# Altium PCB SPEC-A7.PcbDoc (part 3 of 10) (continued)
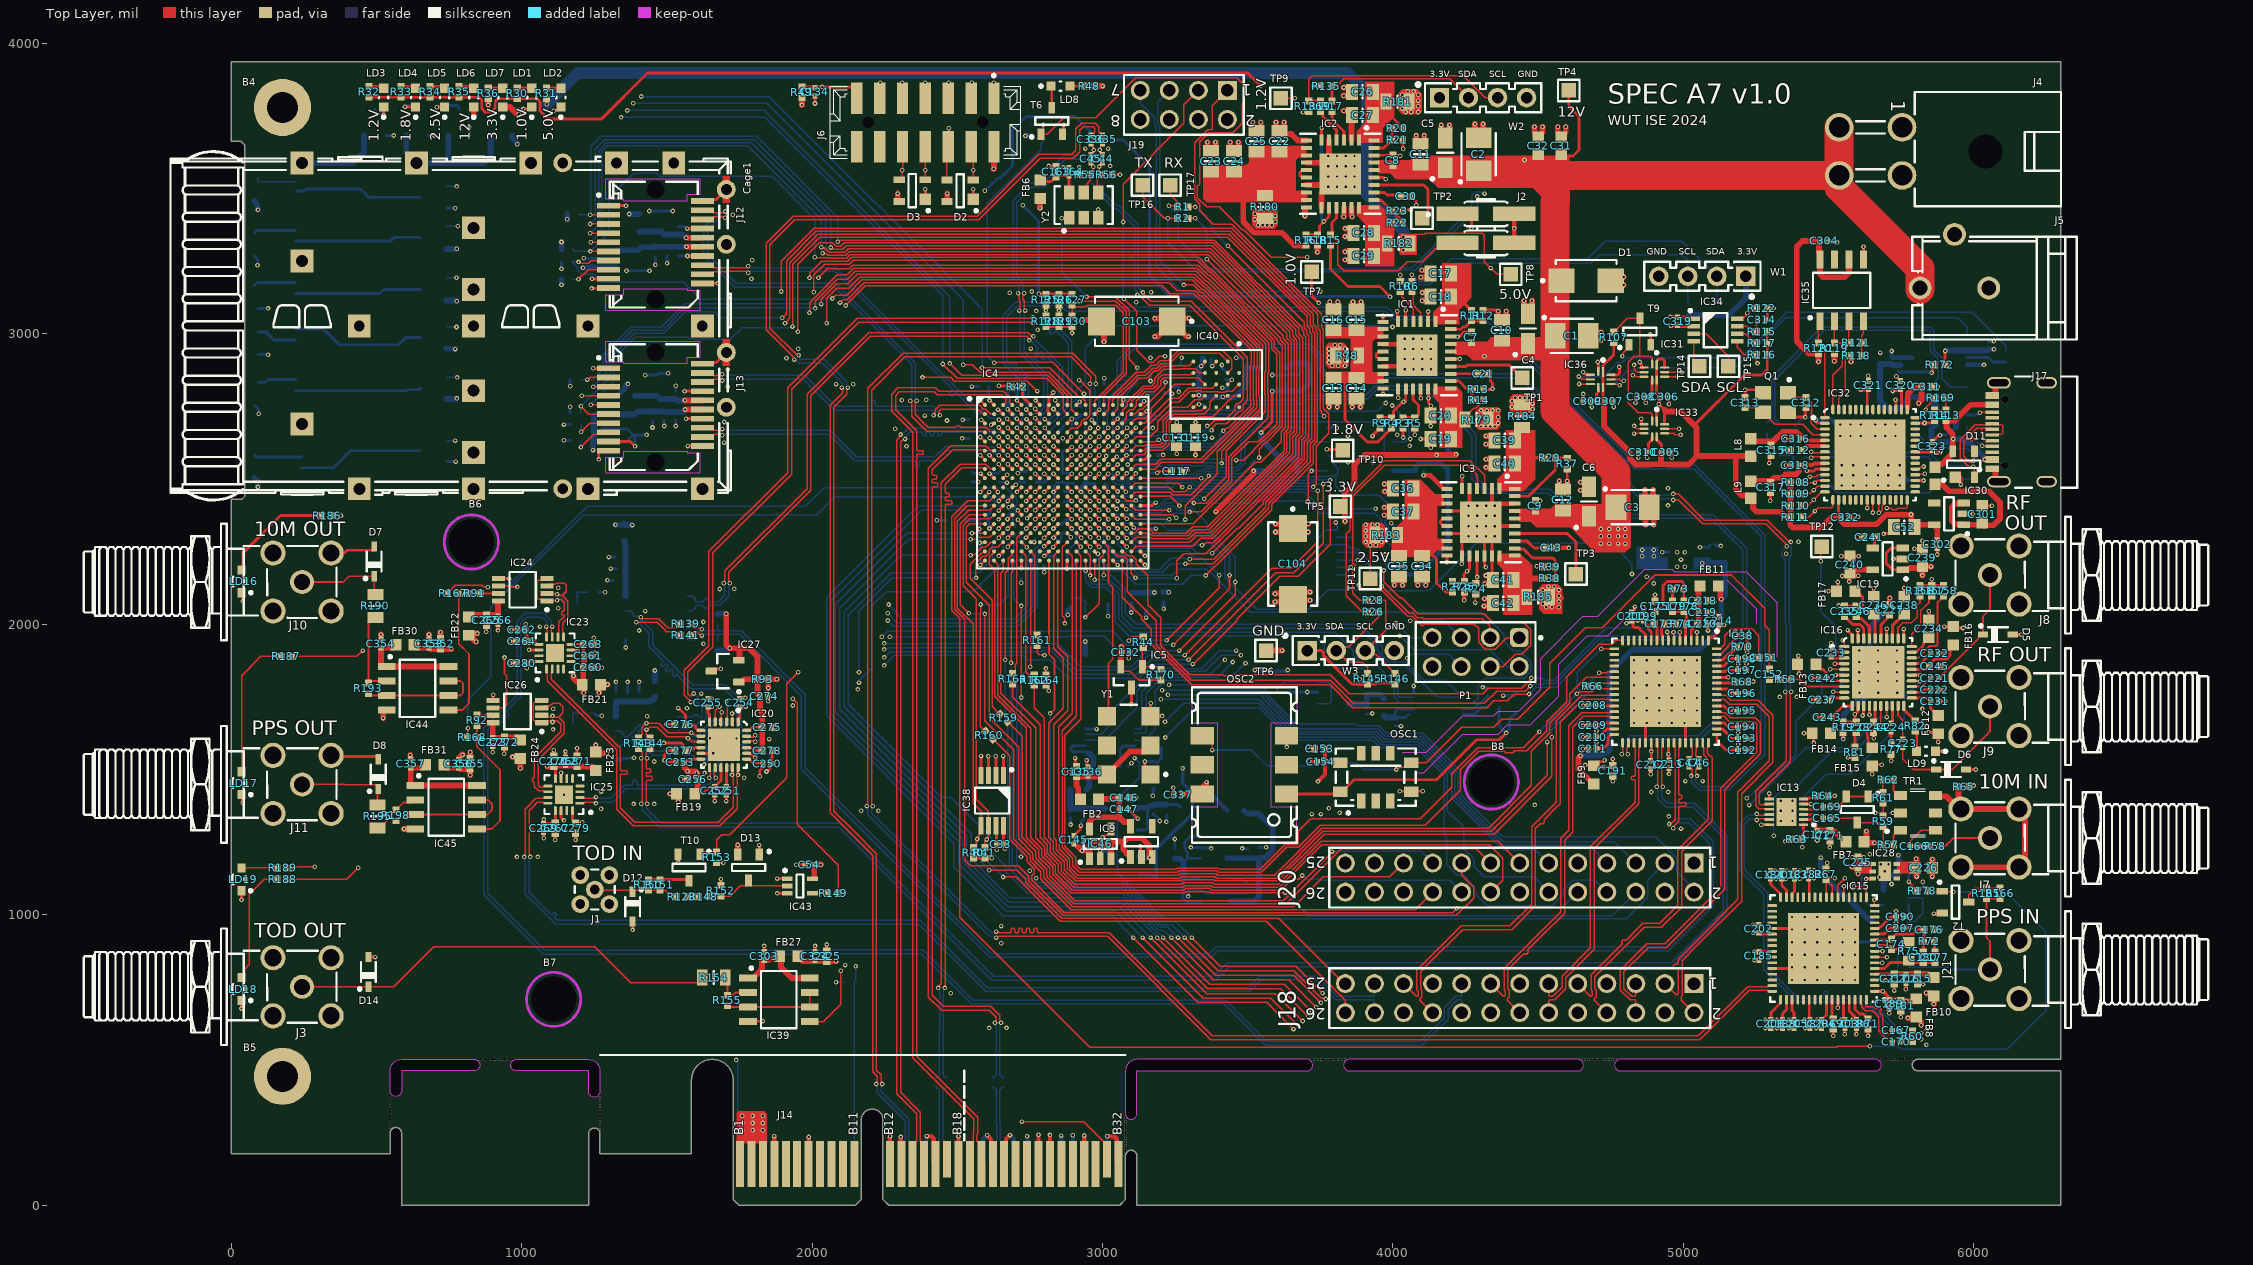
[diagram p0: Top Layer view]
## Nets (pads, with @x,y where several pads share a name; then routed paths per layer and width w, separated by ;. In a path a pad name is that pad's centre, name@x,y a point inside that pad or via, vN(x,y) a via of type N, cw(c..) or ccw(c..) an arc to the next point about the centre after c; other vN are vias at no path point) (continued)
  Top Layer w10: v1(2799.76,2298.25) IC4.R8@2815.51,2314
  L3 w5: v1(2263.41,2067.98) 2262.5,2068.88 2262.5,2083.35 2260,2085.85 2260,2779.68 2303.15,2822.83 2374.58,2822.83 2395.37,2843.63 2395.37,3438.35 2460,3502.98 2495,3502.98 v1(2555,3562.98)
  L4 w5: v1(2555,3562.98) 2775,3782.98 3450.57,3782.98 3527.93,3860.34 3527.93,3860.7 3536.94,3869.7 3549.68,3869.7 3551.4,3867.98 4104.46,3867.98 4115,3857.44 4115,3722.98 4215,3622.98 4215,3494.88 4595,3114.88 4595,2826.26 4645.67,2775.59 4755.91,2775.59 4807.09,2724.41 4807.09,2679.5 v1(4829.91,2656.67)
  Bottom Layer w5: v1(2263.41,2067.98) 2287.73,2043.65 2287.73,2040.25 2310,2017.98 2696.41,2017.98 2743.12,2064.69 2743.12,2236.1 2785.12,2278.1 2785.12,2283.61 v1(2799.76,2298.25)
CLK_25M: C151.2 IC14.64 | length 276.4
  Top Layer w6: IC14.64@5114.53,1915.65 5126.34,1915.65 5142.25,1931.57 5142.25,1961.15 5165.35,1984.25 5236.22,1984.25 5259.63,1960.84 C151.2@5259.63,1884.99
CLK_25M_BAK: IC4.T15
CLK_25M_DMTD: IC4.T14 Y1.4 | length 623.5
  Top Layer w6: IC4.T14@3004.49,2282.51 3020.24,2266.76 3020.24,2156.93 3020.36,2156.81 3020.36,2143.66 3035.56,2128.46 3035.56,1880.47 3020.24,1865.14 Y1.4@3020.24,1678.21
CLK_125M_N: C50.2 IC4.D16 | length 1559.2
  Top Layer w5: IC4.D16@3067.48,2660.46 3068.42,2660.46 3084.28,2676.32 v1(3085.22,2676.32) ; v1(3120,3134.24) 3122.06,3132.19 3126.97,3132.19 3160.43,3098.73 3300.57,3098.73 3484.56,2914.73 3484.56,2777.1 3481.37,2773.91 3481.37,2771.84 3470.98,2761.45 3464.49,2761.45 3456.18,2753.14 3456.18,2737.75 3448.34,2729.91 3447.87,2729.91 3420.86,2702.91 3405.95,2702.91 3405.66,2702.63 3385.88,2702.63 3368.29,2685.03 3362.06,2685.03 v1(3360,2682.98)
  Bottom Layer w5: C50.2@2965,3519.2 2965,3518.21 2973.5,3509.71 2973.5,3496.47 3040.06,3429.92 3049.8,3429.92 3110.32,3369.4 3110.32,3317.24 3110.32,3273.2 3107.39,3270.27 3100.66,3270.27 3098.08,3267.7 3098.08,3259.97 3100.66,3257.4 3107.39,3257.4 3110.32,3254.47 3110.32,3251.97 3110.32,3152.66 3120.2,3142.77 3120.2,3134.45 v1(3120,3134.24) ; v1(3085.22,2676.32) 3085.28,2676.32 3093.52,2668.07 3102.39,2668.07 3110.74,2659.73 3178.02,2659.73 3179.05,2660.75 3181.67,2663.37 3346.63,2663.37 3357.94,2674.69 3357.94,2680.92 v1(3360,2682.98)
CLK_125M_P: C48.2 IC4.E16 | length 1561.8
  Top Layer w5: IC4.E16@3067.48,2628.96 3067.48,2630.02 3083.23,2645.77 v1(3083.23,2646.83) ; v1(3138.99,3142.6) 3138.99,3139.7 3142.84,3135.85 3142.84,3134.71 3165.82,3111.73 3305.95,3111.73 3497.56,2920.12 3497.56,2771.72 3494.37,2768.53 3494.37,2766.46 3484.56,2756.65 3484.56,2741.38 3476.25,2733.07 3469.88,2733.07 3453.73,2716.91 3453.25,2716.91 3426.25,2689.91 3411.33,2689.91 3411.05,2689.63 3391.26,2689.63 3377.48,2675.84 3377.48,2669.61 v1(3375.42,2667.55)
  Bottom Layer w5: C48.2@2995,3519.2 2995,3518.21 2986.5,3509.71 2986.5,3501.86 3045.44,3442.92 3055.19,3442.92 3123.32,3374.78 3123.32,3158.04 3138.76,3142.6 v1(3138.99,3142.6) ; v1(3083.23,2646.83) 3083.29,2646.83 3091.53,2655.07 3097.01,2655.07 3105.36,2646.73 3183.41,2646.73 3184.43,2647.75 3187.06,2650.37 3352.01,2650.37 3367.14,2665.5 3373.37,2665.5 v1(3375.42,2667.55)
CR_N: C170.2 IC15.63 | length 213.1
  Top Layer w5: IC15.63@5610.24,707.68 5610.24,694.56 5613.85,690.94 5613.85,680.99 5625.28,669.57 5650.63,669.57 5660.1,660.1 5673.23,646.97 5673.23,599.73 5683.72,589.23 5697.45,575.51 5709.02,575.51 5711.95,572.58 5711.95,568.37 5718.31,562.01 C170.2@5719.29,562.01
CR_P: C167.2 IC15.64 | length 210.4
  Top Layer w5: IC15.64@5629.92,707.68 5629.92,694.56 5626.85,691.49 5626.85,686.37 5630.66,682.57 5656.02,682.57 5657.59,681 5659.35,679.23 5662.11,676.47 5666.25,676.47 5671.41,681.63 5675.05,681.63 5680.52,676.17 5680.52,672.53 5675.36,667.37 5675.36,663.23 5684.46,654.12 5686.23,652.35 5686.23,605.11 5702.83,588.51 5709.02,588.51 5711.95,591.44 5711.95,595.65 5718.31,602.01 C167.2@5719.29,602.01
DAC_LDAC: IC4.U12 IC10.4 | length 1467.8
  Top Layer w5: IC4.U12@2941.5,2251.01 2957.05,2235.46 v1(2957.05,2168.3)
  Bottom Layer w5: v1(2957.05,2168.3) 2957.05,2147.19 2966.07,2138.17 3019.7,2138.17 3055.12,2102.75 3055.12,2019.69 3102.36,1972.44 3799.66,1972.44 3863.76,1908.35 3863.76,1892.48 3898.41,1857.83 3945.32,1857.83 4016.66,1786.49 4016.66,1755 4023.62,1748.03 IC10.4@4072.83,1748.03
DAC_SCLK: IC4.V14 IC10.6 | length 1521.3
  Top Layer w5: v1(3003.94,2168.92) 3004.21,2169.19 3004.21,2219.24 IC4.V14@3004.49,2219.51
  Bottom Layer w5: v1(3003.94,2168.92) 3030.16,2168.92 3078.69,2120.39 3078.69,2037.5 3116.19,2000 3886.25,2000 3963.76,1922.49 3963.76,1892.48 3987.76,1868.48 4041.88,1868.48 4042.53,1867.83 4045.55,1867.83 4106.56,1806.82 4180.38,1806.82 4219.49,1767.72 IC10.6@4242.13,1767.72
DAC_SDI: IC4.T13 IC10.8 | length 2039.6
  Top Layer w10: IC4.T13@2972.99,2282.51 v1(2988.74,2266.76)
  Bottom Layer w5: v1(2988.74,2266.76) 3036.16,2219.34 3076.46,2219.34 3126.91,2168.88 3142.14,2168.88 3142.63,2168.39 3240.16,2168.39 3260.74,2188.98 3360.15,2188.98 3507.94,2041.18 4304.34,2041.18 4382.27,1963.25 4382.27,1940.66 4413.33,1909.59 4435.92,1909.59 4474.63,1870.89 4474.63,1837.77 4451.21,1814.35 4409.15,1814.35 4407.7,1815.8 4365.64,1815.8 4364.2,1814.35 4318.58,1814.35 4293.08,1788.84 4293.08,1746.18 4275.24,1728.35 IC10.8@4242.13,1728.35
DAC_SDO: IC4.V12 IC10.3 | length 1469.6
  Top Layer w5: IC4.V12@2941.5,2219.51 2941.59,2219.42 2941.59,2184 v1(2941.67,2183.91)
  Bottom Layer w5: v1(2941.67,2183.91) 2941.67,2148.43 2961.93,2128.17 3011.23,2128.17 3043.31,2096.09 3043.31,2007.78 3090.46,1960.63 3731.08,1960.63 3763.76,1927.95 3763.76,1892.48 3808.41,1847.83 3894.27,1847.83 3935.01,1807.09 3980.31,1807.09 4003.94,1783.46 4003.94,1748.03 4023.62,1728.35 IC10.3@4072.83,1728.35
DAC_SYNC: IC4.V13 IC10.7 | length 1570.2
  Top Layer w5: v1(2972.44,2153.54) 2972.72,2153.82 2972.72,2219.24 IC4.V13@2972.99,2219.51
  Bottom Layer w5: v1(2972.44,2153.54) 3023.62,2153.54 3065.71,2111.46 3065.71,2028.16 3107.81,1986.06 3886.04,1986.06 3945.69,1926.42 3945.69,1910.55 3953.76,1902.48 3953.76,1888.34 3984.27,1857.83 4041.41,1857.83 4108.12,1791.12 4108.63,1791.12 4151.72,1748.03 IC10.7@4242.13,1748.03
DDMTD_LDAC: IC4.N17 IC7.4 | length 1350.8
  Top Layer w5: IC4.N17@3098.98,2376.99 3114,2361.97 v1(3230,2361.97)
  L3 w5: v1(3230,2361.97) 3230,2207.98 3460,1977.98 v1@3460,1909.45
  Bottom Layer w5: IC7.4@2940.24,1621.09 2995.1,1621.09 3040.86,1666.84 3040.86,1711.11 3177.45,1847.7 3339.83,1847.7 3401.57,1909.45 v1(3460.63,1909.45)
DDMTD_SCLK: IC4.K17 IC7.6 | length 1385.9
  Top Layer w5: IC4.K17@3098.98,2471.48 3113.37,2485.87 3260.77,2485.87 v1(3275,2471.65)
  L3 w5: v1(3275,2471.65) 3273.67,2471.65 3202.26,2400.24 3202.26,2171.97 3421.26,1952.97 v1(3421.26,1877.95)
  Bottom Layer w5: IC7.6@3109.53,1640.77 3132.17,1640.77 3135.57,1644.18 3135.57,1768.42 3194.56,1827.41 3370.71,1827.41 v1(3421.26,1877.95)
DDMTD_SDI: IC4.L18 IC7.8 | length 1353.6
  Top Layer w5: IC4.L18@3130.47,2439.99 3232.62,2439.99 v1(3265,2407.6)
  L3 w5: v1(3265,2407.6) 3265,2377.58 3268.98,2373.6 3268.98,2203.67 3282.43,2190.22 3282.76,2190.22 3492.13,1980.85 v1(3492.13,1866.14)
  Bottom Layer w5: IC7.8@3109.53,1601.4 3144.71,1601.4 3181.1,1637.8 3181.1,1770.45 3218.06,1807.41 3433.39,1807.41 v1(3492.13,1866.14)
DDMTD_SDO: IC4.N18 IC7.3 | length 1383.4
  Top Layer w5: IC4.N18@3130.47,2376.99 3130.83,2377.35 3242.31,2377.35 3252.77,2366.88 v1(3253.59,2366.88)
  L3 w5: v1(3253.59,2366.88) 3253.61,2201.68 3476.38,1978.91 v1(3476.38,1893.7)
  Bottom Layer w5: IC7.3@2940.24,1601.4 3006.91,1601.4 3118.11,1712.6 3118.11,1769.22 3186.59,1837.7 3353.45,1837.7 3409.45,1893.7 v1(3476.38,1893.7)
DDMTD_SYNC: IC4.M17 IC7.7 | length 1284.4
  Top Layer w5: IC4.M17@3098.98,2408.49 3114.75,2392.72 v1(3230.31,2392.72)
  L3 w5: v1(3230.31,2392.72) 3229.74,2392.72 3214.63,2377.6 3214.63,2176.61 3433.81,1957.43 3433.81,1914.53 3448.82,1899.52 v1(3448.82,1870.08)
  Bottom Layer w5: IC7.7@3109.53,1621.09 3112.93,1624.49 3144.18,1624.49 3150.35,1630.67 3150.35,1763.18 3204.58,1817.41 3396.15,1817.41 v1(3448.82,1870.08)
DELAY_EN: IC4.J18 IC20.2 | length 3299
  Top Layer w5: v1(1724.41,1692.91) 1724.98,1692.34 1724.98,1664.52 IC20.2@1725.56,1663.94 ; IC4.J18@3130.47,2502.98 3130.66,2502.79 3339.81,2502.79 v1@3340,2502.98 ; v1(3311.02,1863.07) 3311.89,1863.07 3461.65,2012.83 3461.65,2016.79 3610.21,2165.35 3673.23,2165.35 3783.46,2275.59 v1(3783.46,2496.29)
  L4 w5: v1(1724.41,1692.91) 1748.03,1716.54 1748.03,1755.91 1850.39,1858.27 v1(2248.03,1858.27)
  Bottom Layer w5: v1(2248.03,1858.27) 2283.31,1893.54 2724.57,1893.54 2740.16,1877.95 2818.9,1877.95 2881.89,1814.96 3124.68,1814.96 3171.93,1862.2 3310.16,1862.2 v1(3311.02,1863.07) ; v1(3340,2502.6) 3341.68,2500.92 3353.36,2500.92 3358.63,2495.65 3711.79,2495.65 3714.45,2498.31 3781.44,2498.31 v1(3783.46,2496.29)
DELAY_Q0_N: IC23.11 J18.18 | length 4890.5
  Top Layer w5: v1@1101.89,1985.34 1101.89,1971.98 1105.24,1968.63 IC23.11@1105.24,1956.5
  Bottom Layer w5: v1(1105.77,1992.13) 1105.77,1995.03 1101.89,1998.91 1101.89,2012.88 1086.29,2028.49 1077.02,2037.75 1011.49,2037.75 984.25,2010.51 984.25,1755.91 870.08,1641.73 870.08,1068.23 1074.1,864.21 2045.31,864.21 2047.24,866.14 2375.32,866.14 2548.54,692.91 3418.62,692.91 3518.5,593.04 3561.54,549.99 4099.59,549.99 4190.23,640.62 4190.23,674.88 4221.83,706.48 4233.33,706.48 4236.26,703.55 J18.18@4236.26,662.98
DELAY_Q0_P: IC23.12 J18.17 | length 4888
  Top Layer w5: IC23.12@1085.55,1956.5 1085.55,1968.63 1088.89,1971.98 v1@1088.89,1985.34
  Bottom Layer w5: v1(1085.02,1992.13) 1085.02,1995.03 1088.89,1998.91 1088.89,2007.5 1080.91,2015.49 1071.64,2024.75 1016.88,2024.75 997.25,2005.13 997.25,1750.52 967.85,1721.12 949.15,1702.42 949.15,1698.28 956.92,1690.51 956.92,1686.87 951.46,1681.41 947.82,1681.41 939.8,1689.43 936.16,1689.43 930.7,1683.97 930.7,1680.32 941.77,1669.25 941.77,1665.61 936.31,1660.14 932.67,1660.14 921.84,1670.97 917.7,1670.97 906.83,1660.1 883.08,1636.35 883.08,1073.61 1079.48,877.21 2039.93,877.21 2041.86,879.14 2380.7,879.14 2511.15,748.69 2515.75,744.09 2553.93,705.91 3424.01,705.91 3531.5,598.43 3566.93,562.99 4094.21,562.99 4177.23,646.01 4177.23,680.26 4216.44,719.48 4233.33,719.48 4236.26,722.41 J18.17@4236.26,762.98
DELAY_Q1_N: IC25.11 J18.24 | length 3530.6
  Top Layer w5: v1@1012.67,1205.72 1012.67,1348.86 1012.67,1363.77 1049.1,1400.2 1075.07,1400.2 1078.41,1403.54 IC25.11@1090.55,1403.54
  Bottom Layer w5: v1(1008.8,1198.94) 1008.8,1196.03 1012.67,1192.15 1012.67,1071.31 1016.48,1067.5 1031.52,1052.46 1116.66,967.32 2367.33,967.32 2598.3,736.35 3508,736.35 3547.24,775.59 3733.58,775.59 3802.7,706.48 3933.33,706.48 3936.26,703.55 J18.24@3936.26,662.98
DELAY_Q1_P: IC25.12 J18.23 | length 3528.1
  Top Layer w5: v1@1025.67,1205.72 1025.67,1267.1 1025.67,1282.48 1028.6,1285.41 1036.01,1285.41 1038.58,1287.98 1038.58,1295.7 1036.01,1298.28 1028.6,1298.28 1025.67,1301.21 1025.67,1340.1 1025.67,1354.24 1025.67,1358.39 1035.67,1368.39 1054.48,1387.2 1075.07,1387.2 1078.41,1383.86 IC25.12@1090.55,1383.86
  Bottom Layer w5: v1(1029.54,1198.94) 1029.54,1196.03 1025.67,1192.15 1025.67,1076.69 1077.5,1024.86 1100.63,1001.73 1104.77,1001.73 1110.65,1007.62 1114.3,1007.62 1119.76,1002.15 1119.76,998.51 1113.88,992.63 1113.88,988.49 1122.05,980.32 1127.45,980.32 2372.72,980.32 2603.68,749.35 3502.62,749.35 3541.86,788.59 3738.97,788.59 3808.08,719.48 3933.33,719.48 3936.26,722.41 J18.23@3936.26,762.98
DELAY_SCLK: IC4.K18 IC20.5 | length 3243.8
  Top Layer w5: IC20.5@1666.5,1663.94 1666.5,1701.93 v1(1681.1,1716.54) ; IC4.K18@3130.47,2471.48 3229.41,2471.48 3244.62,2456.27 3284.63,2456.27 v1(3300,2471.65) ; v1(3283.23,1894) 3283.76,1894 3582.68,2192.91 3649.61,2192.91 3741.09,2284.4 v1(3741.09,2459.84)
  L4 w5: v1(1681.1,1716.54) 1708.66,1716.54 1720.53,1728.41 1720.53,1763.57 1870.35,1913.39 v1(2248.03,1913.39)
  Bottom Layer w5: v1(2248.03,1913.39) 2250.09,1915.44 2259.77,1915.44 2263.78,1919.45 2812.9,1919.45 2815.02,1917.32 2834.65,1917.32 2909.45,1842.52 3106.3,1842.52 3157.48,1893.7 3282.93,1893.7 v1(3283.23,1894) ; v1(3300,2471.65) 3302.91,2471.65 3308.82,2465.73 3343.08,2465.73 3343.16,2465.65 3707.33,2465.65 3715.41,2457.56 3731.37,2457.56 3731.59,2457.79 3739.04,2457.79 v1(3741.09,2459.84) v1@3741.09,2459.69
DELAY_SDIN: IC4.J14 IC20.4 | length 3448.1
  Top Layer w5: IC20.4@1686.19,1663.94 1687.49,1665.25 1687.49,1695.36 v1(1688.98,1696.85) ; v1(3295.91,1877.58) 3296.39,1877.58 3595.98,2177.17 3657.48,2177.17 3759.72,2279.4 v1(3759.72,2482.94)
  Top Layer w10: IC4.J14@3004.49,2502.98 3004.49,2503.32 3019.55,2518.38 v1(3019.55,2518.73)
  L4 w5: v1(1688.98,1696.85) 1705.61,1696.85 1732.28,1723.52 1732.28,1758.15 1859.96,1885.83 v1(2248.03,1885.83)
  Bottom Layer w5: v1(2248.03,1885.83) 2268.37,1906.16 2790.85,1906.16 2794.14,1909.45 2808.75,1909.45 2810.88,1907.32 2824.96,1907.32 2903.74,1828.55 3119.88,1828.55 3168.44,1877.1 3295.44,1877.1 v1(3295.91,1877.58) ; v1(3019.55,2518.73) 3021.6,2516.67 3021.6,2507.33 3046.65,2482.29 3064.15,2482.29 3064.83,2482.98 3095,2482.98 3102.24,2475.73 3217.76,2475.73 3239.04,2497.02 3315.96,2497.02 3326.35,2486.63 3353.51,2486.63 3354.49,2485.65 3715.93,2485.65 3718.59,2488.31 3732.45,2488.31 3737.83,2482.94 v1(3759.72,2482.94) 3761.78,2480.88 v1@3767.15,2480.88
DELAY_SLOAD: IC4.M16 IC20.3 | length 2695
  Top Layer w5: v1(1704.88,1734.5) 1704.88,1718.92 1707.17,1716.62 1707.17,1665.25 IC20.3@1705.87,1663.94 ; v1(3263.78,1909.45) 3456.69,2102.36 v1(3456.69,2145.67)
  Top Layer w10: IC4.M16@3067.48,2408.49 3068.5,2408.49 3080.5,2396.5 v1(3081.95,2396.5)
  L4 w5: v1(1704.88,1734.5) 1704.88,1768.42 1870.59,1934.13 v1(2248.03,1934.13)
  Bottom Layer w5: v1(2248.03,1934.13) 2249.09,1933.07 2846.46,1933.07 2925.2,1854.33 3098.43,1854.33 3153.54,1909.45 v1(3263.78,1909.45) ; v1(3081.95,2396.5) 3084.01,2394.44 3094.39,2394.44 3105.21,2383.62 3199.57,2383.62 3218.48,2402.53 3218.48,2403.19 3223.63,2408.35 3242.88,2408.35 3249.63,2401.61 3249.63,2401.24 3258.63,2392.23 3271.37,2392.23 3271.74,2392.6 3277.71,2392.6 3287.4,2402.29 3305.89,2402.29 3359.24,2348.94 3359.24,2328.84 3456.69,2231.38 v1(3456.69,2145.67)
DFF_Q0_N: IC20.22 IC21.6 R138.1 R141.2 | length 1098.1
  Top Layer w5: v1(1395,2006.75) 1395.58,2006.16 1466.54,2006.16 1490.17,1982.53 1497.78,1974.92 1534.32,1974.92 1537.25,1971.99 1537.25,1970.33 R141.2@1546.16,1961.42 ; IC20.22@1774.77,1595.05 1785.66,1595.05 1789,1598.39 v1@1798.75,1598.39
  Bottom Layer w5: v1(1395,2006.75) 1397.05,2004.69 1403.92,2004.69 1437.97,1970.63 1437.97,1922.67 1445.59,1915.06 1474.5,1886.15 1476.27,1884.38 1485.37,1875.28 1485.37,1871.13 1478.38,1864.14 1478.38,1860.5 1483.84,1855.04 1487.48,1855.04 1494.72,1862.28 1498.36,1862.28 1503.83,1856.82 1503.83,1853.18 1496.58,1845.93 1496.58,1842.29 1502.04,1836.83 1505.69,1836.83 1512.93,1844.07 1516.57,1844.07 1522.03,1838.61 1522.03,1834.97 1518.01,1830.95 1518.01,1827.31 1523.48,1821.85 1527.12,1821.85 1530.89,1825.62 1535.03,1825.62 1548.55,1812.09 1550.32,1810.32 1582.23,1778.42 1697.67,1778.42 1704.67,1771.42 1741.99,1734.09 1741.99,1641.7 1763.59,1620.1 1783.62,1600.08 1797.06,1600.08 1801.47,1595.67 v1(1804.37,1595.67) 1807.28,1595.67 1811.69,1600.08 1819.75,1600.08 1822.68,1597.15 1822.68,1584.43 1809.1,1570.85 1786.35,1570.85 1772.43,1584.77 1738.71,1584.77 1728.17,1574.22 1728.17,1561.77 1725.24,1558.84 1723.58,1558.84 R138.1@1714.67,1549.92
DFF_Q0_P: IC20.23 IC21.7 R137.1 R139.2 | length 1100.6
  Top Layer w5: v1@1411.84,2023.92 1416.6,2019.16 1471.92,2019.16 1503.17,1987.92 1534.32,1987.92 1537.25,1990.85 1537.25,1992.5 R139.2@1546.16,2001.42 ; IC20.23@1774.77,1614.73 1786.45,1614.73 1789.8,1611.39 1796.07,1611.39 1802.16,1617.48 v1(1804.37,1617.48)
  Bottom Layer w5: IC21.7@1358.37,2046.42 1374.95,2046.42 1384.26,2037.11 1384.26,2030.85 1387.19,2027.92 1403.17,2027.92 v1@1407.21,2023.87 ; v1(1409.94,2023.92) 1412,2021.86 1412,2014.99 1450.97,1976.02 1450.97,1928.06 ; 1450.97,1928.06 1501.06,1877.97 1587.61,1791.42 1703.05,1791.42 1706.86,1787.61 1754.99,1739.48 1754.99,1647.08 1776.59,1625.48 1789,1613.08 1797.06,1613.08 1801.47,1617.48 v1(1804.37,1617.48) 1807.28,1617.48 1811.69,1613.08 1825.13,1613.08 1835.68,1602.53 1835.68,1579.04 1814.49,1557.85 1780.96,1557.85 1767.05,1571.77 1744.1,1571.77 1741.17,1568.84 1741.17,1561.77 1744.1,1558.84 1745.75,1558.84 R137.1@1754.67,1549.92
DFF_Q1_N: IC20.9 IC22.6 R142.1 R144.2 | length 574.6
  Top Layer w5: R144.2@1441.56,1608.74 1432.64,1617.66 1431.3,1617.66 1428.37,1620.59 1428.37,1636.11 v1(1429.75,1637.48) 1432.65,1637.48 1441,1645.82 1466.44,1645.82 1498.85,1613.42 1564.48,1613.42 1570.72,1607.18 v1(1572.79,1607.18) 1584.92,1595.05 IC20.9@1617.29,1595.05
  Bottom Layer w5: IC22.6@1323.37,1581.42 1341.42,1581.42 1350.73,1590.73 1350.73,1596.99 1353.66,1599.92 1370.91,1599.92 1376.99,1606.01 1387.87,1616.88 1392.01,1616.88 1402.95,1605.94 1406.59,1605.94 1412.05,1611.4 1412.05,1615.04 1401.11,1625.98 1401.11,1630.12 1409.48,1638.49 1409.48,1638.96 1412.41,1641.89 1422.43,1641.89 1426.84,1637.48 v1(1429.75,1637.48) ; 1581.24,1605.12 1585.24,1601.12 1608.1,1601.12 1615.72,1608.74 1648.53,1641.55 1663.75,1656.77 1682.74,1656.77 1685.67,1653.84 1685.67,1645.13 1675.45,1634.92 R142.1@1674.67,1634.92
DFF_Q1_P: IC20.8 IC22.7 R140.1 R143.2 | length 577.1
  Top Layer w5: R143.2@1402.19,1608.74 1411.1,1617.66 1412.44,1617.66 1415.37,1620.59 1415.37,1629.78 1414.37,1630.78 1414.37,1643.92 v1(1429.75,1659.29) 1467.1,1659.29 1467.57,1658.82 1471.83,1658.82 1504.23,1626.42 v1(1584.67,1626.42) 1587.58,1626.42 1594.74,1619.25 1601.08,1619.25 1605.6,1614.73 IC20.8@1617.29,1614.73
  Bottom Layer w5: IC22.7@1323.37,1631.42 1341.42,1631.42 1350.73,1622.11 1350.73,1615.85 1353.66,1612.92 1365.52,1612.92 1385.37,1632.76 1396.48,1643.88 1396.48,1644.34 1407.02,1654.89 1422.43,1654.89 1426.84,1659.29 v1(1429.75,1659.29) ; 1586.72,1618.02 1590.62,1614.12 1602.72,1614.12 1643.15,1654.55 1658.36,1669.77 1688.12,1669.77 1698.67,1659.22 1698.67,1645.13 1708.88,1634.92 R140.1@1709.67,1634.92
DLY0_SE: D7.1 J10.1 R190.1 | length 320.8
  Top Layer w6: J10.1@244.09,2145.67 385.83,2145.67 405.51,2165.35 D7.1@492.13,2165.35 492.13,2106.3 R190.1@496.06,2102.36
DLY0_SE_FB: IC4.P14 IC24.6 | length 3334.7
  Top Layer w6: IC24.6@919.8,2131.69 920.69,2130.81 965.63,2130.81 967.77,2128.67 v1(985.51,2128.67) ; v1(3244.09,1929.13) 3437.01,2122.05 v1(3437.01,2169.29)
  Top Layer w10: IC4.P14@3004.49,2345.5 3004.97,2345.5 3020.72,2329.75 v1(3021.21,2329.75)
  L4 w6: v1(985.51,2128.67) 1082.68,2031.5 1169.29,2031.5 1200.79,2062.99 1633.86,2062.99 1712.6,1984.25 2240.16,1984.25 v1(2267.72,1956.69)
  Bottom Layer w6: v1(2267.72,1956.69) 2874.48,1956.69 2876.6,1958.82 3005.75,1958.82 3057.46,1907.1 3136.35,1907.1 3158.38,1929.13 v1(3244.09,1929.13) ; v1(3021.21,2329.75) 3039.21,2347.75 3099.68,2347.75 3100.86,2348.93 3199.24,2348.93 3225.19,2322.98 3350.25,2322.98 3437.01,2236.22 v1@3437.01,2169.53
DLY1_SE: D8.1 J11.1 R195.1 | length 328.1
  Top Layer w6: J11.1@244.09,1448.82 388.71,1448.82 390.02,1447.51 499.22,1447.51 506.06,1440.67 D8.1@506.06,1432.8 ; R195.1@503.94,1377.95 D8.1@503.94,1432.8
DLY1_SE_FB: IC4.R15 IC26.6 | length 3306.1
  Top Layer w5: IC4.R15@3035.98,2314 v1(3051.73,2298.25) ; v1(3220.47,1945.01) 3401.57,2126.11 v1(3401.57,2169.29)
  Top Layer w6: IC26.6@906.6,1717.03 IC26.6@901.93,1712.36 936.77,1712.36 948.82,1724.41 948.82,1822.83 940.94,1830.71 v1(940.94,1885.83)
  L4 w5: v1(940.94,1885.83) 1345.82,1885.83 1373.38,1913.39 1653.54,1913.39 1696.85,1956.69 v1(2240.16,1956.69)
  Bottom Layer w5: v1(2240.16,1956.69) 2259.84,1976.38 3034.86,1976.38 3083.63,1927.6 3142,1927.6 3159.4,1945.01 v1(3220.47,1945.01) ; v1(3051.73,2298.25) 3051.73,2275.01 3075.61,2251.13 3294.34,2251.13 3317.49,2227.98 3342.89,2227.98 v1(3401.57,2169.29)
DLY_Q0_N: IC20.17 IC23.2 R138.2 | length 1226
  Top Layer w5: IC23.2@1105.24,1846.26 1105.24,1834.12 1101.89,1830.78 1101.89,1811.49 1228.35,1685.04 1339.77,1573.61 1339.77,1523.62 1339.77,1498.67 1342.7,1495.74 1360.71,1495.74 1363.28,1493.17 1363.28,1485.45 1360.71,1482.87 1342.7,1482.87 1339.77,1479.94 1339.77,1464.57 1339.77,1368.89 1389.76,1318.9 1677.15,1318.9 1728.9,1370.65 1728.9,1481.42 1728.9,1491.44 1725.56,1494.78 IC20.17@1725.56,1506.46
  Bottom Layer w5: R138.2@1714.67,1512.91 1723.58,1504 1725.24,1504 1728.17,1501.07 1728.17,1488.2 1724.29,1484.33 v1(1724.29,1481.42)
DLY_Q0_P: IC20.18 IC23.1 R137.2 | length 1228.5
  Top Layer w5: IC23.1@1085.55,1846.26 1085.55,1834.12 1088.89,1830.78 1088.89,1806.11 1223.75,1671.25 1326.77,1568.23 1326.77,1363.51 1384.38,1305.9 1682.53,1305.9 1741.9,1365.26 1741.9,1491.44 1745.24,1494.78 IC20.18@1745.24,1506.46
  Bottom Layer w5: v1(1745.04,1481.42) 1745.04,1484.33 1741.17,1488.2 1741.17,1501.07 1744.1,1504 1745.75,1504 R137.2@1754.67,1512.91
DLY_Q0_SE_N: IC23.9 IC24.2 IC24.3 R191.2 | length 369.5
  Top Layer w5: IC24.2@1080.83,2099.81 IC24.2@1087.13,2106.1 1088.34,2104.89 1120.84,2104.89 v1(1122.05,2103.68) ; IC24.3@1087.13,2131.69 1093.48,2138.05 1116.31,2138.05 1119.62,2141.36 1146.04,2141.36 1153.54,2133.86 1153.54,2113.91 1139.24,2099.61 ; 1129.92,2099.61 1139.24,2099.61 ; IC23.9@1144.61,1956.5 1144.61,1968.63 1141.26,1971.98 1141.26,2003.47 1158.97,2021.18 1158.97,2079.89 1139.24,2099.61
  Bottom Layer w5: v1(1122.05,2103.68) 1124.96,2103.68 1131.59,2097.05 1142.88,2097.05 1145.81,2099.98 1145.81,2101.32 R191.2@1154.72,2110.24
DLY_Q0_SE_P: IC23.10 IC24.1 IC24.4 R192.2 | length 365.1
  Top Layer w5: IC24.4@1087.13,2157.28 1080.83,2150.99 1056.91,2150.99 1053.98,2148.06 1053.98,2089.74 1056.91,2086.81 1080.83,2086.81 IC24.1@1087.13,2080.51 1088.34,2081.72 1120.84,2081.72 v1(1122.05,2082.93) ; IC23.10@1124.92,1956.5 1124.92,1968.63 1128.26,1971.98 1128.26,2008.85 1145.97,2026.56 1145.97,2029.06 1143.04,2031.99 1140.43,2031.99 1137.86,2034.56 1137.86,2042.29 1140.43,2044.86 1143.04,2044.86 1145.97,2047.79 1145.97,2051.46 1145.97,2074.5 1133.86,2086.61 1129.92,2086.61
  Bottom Layer w5: v1(1122.05,2082.93) 1123.17,2084.05 1142.88,2084.05 1145.81,2081.12 1145.81,2079.78 R192.2@1154.72,2070.87
DLY_Q1_N: IC20.13 IC25.2 R142.2 | length 691.3
  Top Layer w5: IC25.2@1200.79,1403.54 1212.92,1403.54 1216.27,1400.2 1229.08,1400.2 1229.61,1400.73 1248.36,1400.73 ; IC20.13@1646.82,1506.46 1646.82,1494.78 1650.16,1491.44 v1@1650.16,1478.2
  Bottom Layer w5: v1(1255.67,1405.14) 1258.58,1405.14 1262.98,1400.73 1307.54,1400.73 1352.88,1446.07 1377.95,1446.07 1380.45,1446.07 1383.38,1449 1383.38,1460.59 1385.96,1463.16 1393.68,1463.16 1396.26,1460.59 1396.26,1449 1399.19,1446.07 1433.07,1446.07 1640.72,1446.07 1650.69,1456.04 1650.69,1464.1 1646.28,1468.51 v1(1646.28,1471.42) 1646.28,1474.33 1650.84,1478.89 1650.84,1489.25 1676.55,1514.95 1676.55,1564.42 1685.67,1573.53 1685.67,1587.7 1675.45,1597.91 R142.2@1674.67,1597.91
DLY_Q1_P: IC20.14 IC25.1 R140.2 | length 693.8
  Top Layer w5: IC25.1@1200.79,1383.86 1212.92,1383.86 1216.27,1387.2 1234.46,1387.2 1234.99,1387.73 1248.36,1387.73 ; IC20.14@1666.5,1506.46 1666.5,1494.78 1663.16,1491.44 1663.16,1479.26 1668.09,1474.33 v1(1668.09,1471.42)
  Bottom Layer w5: v1(1255.67,1383.33) 1258.58,1383.33 1262.98,1387.73 1312.93,1387.73 1358.27,1433.07 1646.1,1433.07 1663.69,1450.66 1663.69,1464.1 1668.09,1468.51 v1(1668.09,1471.42) 1668.09,1474.33 1663.84,1478.58 1663.84,1483.86 1689.55,1509.57 1689.55,1559.03 1698.67,1568.15 1698.67,1587.7 1708.88,1597.91 R140.2@1709.67,1597.91
DLY_Q1_SE_N: IC25.9 IC26.2 IC26.3 R196.2 | length 540.2
  Top Layer w5: IC26.2@1062.96,1680.48 IC26.2@1069.25,1686.77 1075.55,1680.48 v1@1099.52,1680.48 ; IC26.3@1069.25,1712.36 1075.61,1718.72 1096.67,1718.72 1106.3,1728.35 1129.92,1728.35 1141.73,1716.54 1141.73,1695.15 1127.06,1680.48 ; IC25.9@1090.55,1442.91 1078.41,1442.91 1075.07,1439.57 1063.62,1439.57 1056.94,1446.26 1056.94,1534.09 1146.86,1624.02 1146.86,1660.68 1127.06,1680.48 ; v1@1113.08,1680.48 1127.06,1680.48
  Bottom Layer w5: v1(1106.3,1684.35) 1109.21,1684.35 1113.83,1679.73 1127.13,1679.73 1130.06,1682.66 1130.06,1684 R196.2@1138.98,1692.91
DLY_Q1_SE_P: IC25.10 IC26.1 IC26.4 R197.2 | length 537.7
  Top Layer w5: IC26.4@1069.25,1737.95 1062.96,1731.66 1042.11,1731.66 1039.11,1728.66 1039.11,1670.48 1042.11,1667.48 1062.96,1667.48 IC26.1@1069.25,1661.18 1075.55,1667.48 v1@1099.52,1667.48 ; IC25.10@1090.55,1423.23 1078.41,1423.23 1075.07,1426.57 1058.24,1426.57 1043.94,1440.87 1043.94,1452.76 1043.94,1455.26 1041.01,1458.19 1039.79,1458.19 1037.22,1460.76 1037.22,1468.48 1039.79,1471.06 1041.01,1471.06 1043.94,1473.99 1043.94,1480.32 1043.94,1539.48 1133.86,1629.4 1133.86,1655.29 1121.67,1667.48 v1@1113.08,1667.48
  Bottom Layer w5: v1(1106.3,1663.6) 1108.36,1665.66 1113.53,1665.66 1114.6,1666.73 1127.13,1666.73 1130.06,1663.8 1130.06,1662.46 R197.2@1138.98,1653.54
EN1: IC1.19 R3.1 R5.2 | length 151.6
  Top Layer w10: R3.1@4035,2711.48 4075.79,2711.48 4087.5,2723.19 4087.5,2740.2 4087.63,2740.33 4087.63,2755.13 4077.16,2765.61 4076.9,2765.61 4069.52,2772.99 IC1.19@4069.52,2809.69
EN2: IC2.19 J2.3 R15.1 | length 675.7
  Top Layer w5: R15.1@3785,3341.48 3785.79,3341.48 3810,3317.27 3810,3237.98 3830,3217.98 4018.26,3217.98 4048.26,3247.98 4100,3247.98 4145.55,3293.52 4203.11,3293.52 J2.3@4222.56,3312.98
  Top Layer w10: R15.1@3785,3341.48 3790,3346.48 3790,3382.98 3805.57,3398.55 IC2.19@3805.57,3434.14
EN3: IC3.19 J2.1 R24.1 | length 1556.3
  Top Layer w10: J2.1@4222.56,3412.98 4250,3412.98 4270,3392.98 v1(4270,3362.98) ; R24.1@4285,2141.48 4289.52,2146 v1(4289.52,2162.98) IC3.19@4289.52,2234.69
  L4 w10: v1(4270,3362.98) 4270,3097.98 4375,2992.98 4375,2902.38 4240.16,2767.54 4240.16,2543.14 4215,2517.98 4215,2177.98 4230,2162.98 v1(4289.52,2162.98)